# Altium PCB CameraControler0.0.PcbDoc
Units mil, origin at the board's own origin, x right, y up, seen from the top; angles counter-clockwise.
Board outline 5511.81 x 4409.45 mil, 2 copper layers (Top Layer, Bottom Layer); 288 components, 220 nets, 905 pads, 4 vias.
Unrouted connection lines stored in the file: 464.
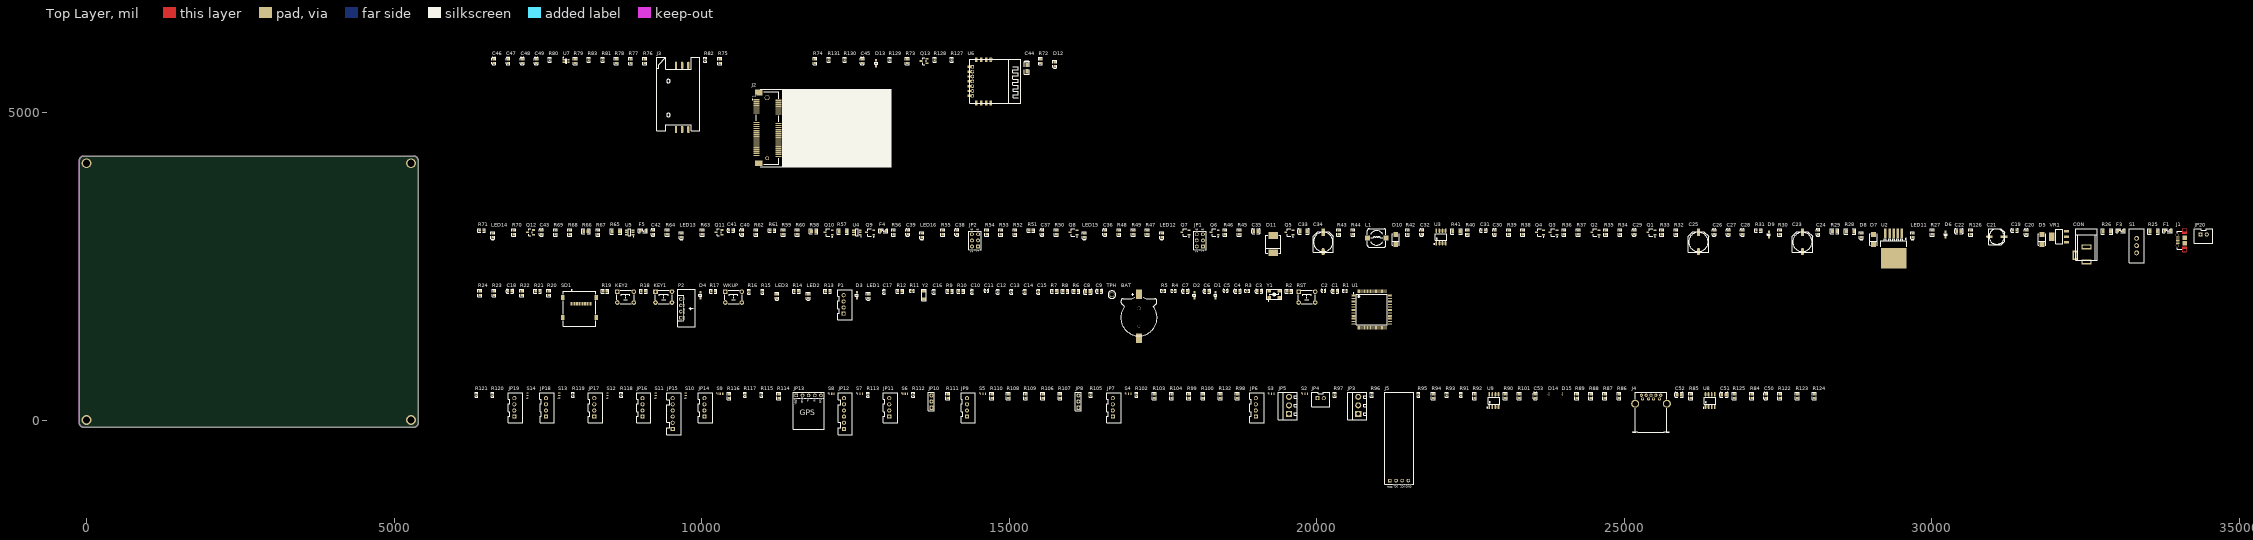
[diagram p0: Top Layer view]
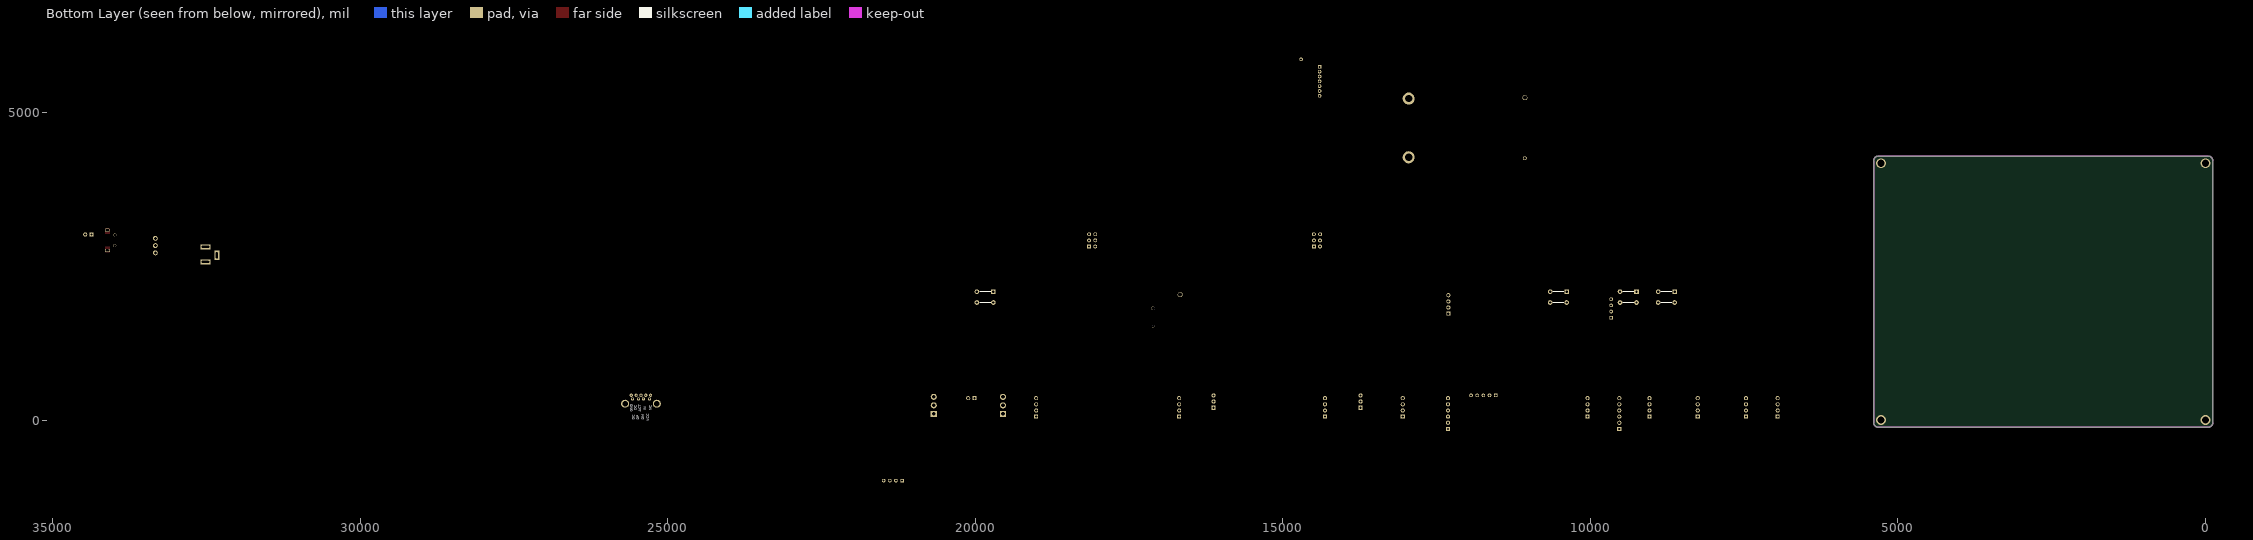
[diagram p1: Bottom Layer view, seen from below]

## Layer stack, top to bottom
Top Solder: solder mask 0.4, Solder Resist, Dk 3.5
Top Layer: signal copper 1.4
Dielectric 1: dielectric 12.6, FR-4, Dk 4.8
Bottom Layer: signal copper 1.4
Bottom Solder: solder mask 0.4, Solder Resist, Dk 3.5

## Board outline
-117.91,-43.11 ccw(c-43.11,-43.11) -43.11,-117.91 -43.31,-118.11 5318.9,-118.11 ccw(c5318.9,-43.31) 5393.7,-43.31 5393.7,4216.54 ccw(c5318.9,4216.54) 5318.9,4291.34 -43.31,4291.33 -43.31,4291.34 ccw(c-43.31,4216.54) -118.11,4216.54

## Design rules (kind name [scope] priority, off if disabled: settings)
Clearance [All] p1: gap=6 ignorepadtopadclearanceinfootprint=FALSE except(0: Arc-Hole Track-Hole SMDPad-Hole THPad-Hole Via-Hole Fill-Hole Poly-Hole Region-Hole Text-Hole; 1: THPad-Fill THPad-Poly THPad-Region Via-Fill Via-Poly Via-Region)
HoleSize [All] p1: absolutevalues=TRUE maxlimit=120 minlimit=1 maxpercent=80.000 minpercent=20.000
MinimumSolderMaskSliver [All] p1: minsoldermaskwidth=1
PolygonConnect [All] p1: connectstyle=Relief reliefconductorwidth=10 reliefentries=4 polygonreliefangle="90 Angle" airgapwidth=10
RoomDefinition WiFi&4G_F [InComponentClass('WiFi&4G_F')] p1: confinementstyle=ConfineIn formatcopy=TRUE lockcomponents=FALSE outline 6578.19,3610.59 15883.19,3610.59 15883.19,6010.59 6578.19,6010.59
RoomDefinition PWR_F [InComponentClass('PWR_F')] p2: confinementstyle=ConfineIn formatcopy=TRUE lockcomponents=FALSE outline 6355,2455.31 34580,2455.31 34580,3225.31 6355,3225.31
RoomDefinition MCU_F [InComponentClass('MCU_F')] p3: confinementstyle=ConfineIn formatcopy=TRUE lockcomponents=FALSE outline 6349.33,1238.39 21234.33,1238.39 21234.33,2238.39 6349.33,2238.39
RoomDefinition Device_F [InComponentClass('Device_F')] p4: confinementstyle=ConfineIn formatcopy=TRUE lockcomponents=FALSE outline 6305,-1095 28290,-1095 28290,565 6305,565
RoutingVias [All] p1: holewidth=10 width=20 viastyle="Through Hole" minholewidth=6 minwidth=10 maxholewidth=30 maxwidth=50
SolderMaskExpansion [All] p1: expansion=4
Width [All] p1: maxlimit=50 minlimit=6 preferedwidth=10 minimp=50.000000 maximp=50.000000 favimp=50.000000
28 further rules are at their usual default settings.

## Classes and differential pairs
component class WiFi&4G_F: C44 C45 C46 C47 C48 C49 D12 D13 J2 J3 Q13 R72 R73 R74 R75 R76 R77 R78 R79 R80 R81 R82 R83 R127 R128 R129 R130 R131 U6 U7
component class PWR_F: C19 C20 C21 C22 C23 C24 C25 C26 C27 C28 C29 C30 C31 C32 C33 C34 C35 C36 C37 C38 C39 C40 C41 C42 C43 CON D5 D6 D7 D8 D9 D10 D11 F1 F3 F4 F5 J1 JP1 JP2 JP20 L1 LED11 LED12 LED13 LED14 LED15 LED16 Q1 Q2 Q3 Q4 Q5 Q6 Q7 Q8 Q9 Q10 Q11 Q12 R25 R26 R27 R28 R29 R30 R31 R32 R33 R34 R35 R36 R37 R38 R39 R40 R41 R42 R43 R44 R45 R46 R47 R48 R49 R50 R51 R52 R53 R54 R55 R56 R57 R58 R59 R60 R61 R62 R63 R64 R65 R66 R67 R68 R69 R70 R71 R126 S1 U2 U3 U4 U5 VR1
component class MCU_F: BAT C1 C2 C3 C4 C5 C6 C7 C8 C9 C10 C11 C12 C13 C14 C15 C16 C17 C18 D1 D2 D3 D4 KEY1 KEY2 LED1 LED2 LED3 P1 P2 R1 R2 R3 R4 R5 R6 R7 R8 R9 R10 R11 R12 R13 R14 R15 R16 R17 R18 R19 R20 R21 R22 R23 R24 RST SD1 TPH U1 WKUP Y1 Y2
component class Device_F: C50 C51 C52 C53 D14 D15 J4 J5 JP3 JP4 JP5 JP6 JP7 JP8 JP9 JP10 JP11 JP12 JP13 JP14 JP15 JP16 JP17 JP18 JP19 R84 R85 R86 R87 R88 R89 R90 R91 R92 R93 R94 R95 R96 R97 R98 R99 R100 R101 R102 R103 R104 R105 R106 R107 R108 R109 R110 R111 R112 R113 R114 R115 R116 R117 R118 R119 R120 R121 R122 R123 R124 R125 R132 S2 S3 S4 S5 S6 S7 S8 S9 S10 S11 S12 S13 S14 U8 U9

## Components (designator, comment, footprint, x,y, rotation, side; value= is the part's Value field where it differs from the comment)
BAT "BAT CR1220" CR1220_A 17109.33,1663.39 r90 top
C1 "100nF" 0603_C 20299.33,2093.39 r0 top
C2 "22pF" 0402_C 20109.33,2103.39 r0 top
C3 "2.2uF" 0603_C 19064.33,2093.39 r0 top
C4 "2.2uF" 0603_C 18714.33,2093.39 r0 top
C5 "22pF" 0402_C 18519.33,2103.39 r0 top
C6 "100nF" 0603_C 18214.33,2093.39 r0 top
C7 "100nF" 0603_C 17864.33,2093.39 r0 top
C8 "10uF" 0805_C 16279.33,2083.39 r0 top
C9 "100nF" 0603_C 16464.33,2093.39 r0 top
C10 "100nF" 0402_C 14394.33,2083.39 r90 top
C11 "100nF" 0402_C 14629.33,2103.39 r0 top
C12 "100nF" 0402_C 14814.33,2083.39 r90 top
C13 "100nF" 0402_C 15034.33,2083.39 r90 top
C14 "100nF" 0402_C 15254.33,2083.39 r90 top
C15 "100nF" 0402_C 15474.33,2083.39 r90 top
C16 "22pF" 0402_C 13774.33,2083.39 r90 top
C17 "22pF" 0402_C 12964.33,2083.39 r90 top
C18 "100nF" 0603_C 6884.33,2093.39 r0 top
C19 "100nF" 0603_C 31345,3080.31 r0 top
C20 "100nF" 0603_C 31535,3050.31 r90 top
C21 "220uF" "CT 6*6 - C" 31055,2980.31 r0 top
C22 "10uF" 0805_C 30440,3070.31 r0 top
C23 "470uF" "CT 8*7 - C" 27895,2895.31 r90 top
C24 "100nF" 0603_C 28150,3050.31 r90 top
C25 "470uF" "CT 8*7 - C" 26205,2895.31 r90 top
C26 "100nF" 0603_C 26460,3050.31 r90 top
C27 "10pF" 0603_C 26690,3050.31 r90 top
C28 "33pF" 0603_C 26920,3050.31 r90 top
C29 "1uF" 0603_C 25160,3050.31 r90 top
C30 "1uF" 0603_C 22890,3050.31 r90 top
C31 "100nF" 0603_C 22710,3080.31 r0 top
C32 "1uF" 0603_C 21705,3050.31 r90 top
C33 "10uF" 1206_C 19785,3065.31 r0 top
C34 "470uF" "CT 8*7 - C" 20105,2895.31 r90 top
C35 "22uF" 0805_C 19010,3070.31 r0 top
C36 "1uF" 0603_C 16555,3050.31 r90 top
C37 "220pF" 0603_C 15535,3050.31 r90 top
C38 "1uF" 0603_C 14150,3050.31 r90 top
C39 "1nF" 0603_C 13350,3050.31 r90 top
C40 "100nF" 0603_C 10655,3050.31 r90 top
C41 "1uF" 0603_C 10475,3080.31 r0 top
C42 "1nF" 0603_C 9210,3050.31 r90 top
C43 "100nF" 0603_C 7395,3050.31 r90 top
C44 "4.7uF" CASE-A_3216 15288.19,5720.59 r90 top
C45 "100nF" 0603_C 12613.19,5835.59 r90 top
C46 "33pF" 0603_C 6623.19,5835.59 r90 top
C47 "33pF" 0603_C 6853.19,5835.59 r90 top
C48 "33pF" 0603_C 7083.19,5835.59 r90 top
C49 "33pF" 0603_C 7313.19,5835.59 r90 top
C50 "100nF" 0603_C 27300,390 r90 top
C51 "10uF" 0805_C 26620,410 r0 top
C52 "100nF" 0805_C 25890,410 r0 top
C53 "100nF" 0603_C 23555,390 r90 top
CON "DC" DC-005 32515,2815.31 r90 top
D1 "1N4148" SOD-323 18354.33,2028.39 r90 top
D2 "1N4148" SOD-323 18009.33,2028.39 r90 top
D3 "1N4148" SOD-323 12524.33,2028.39 r90 top
D4 "1N4148" SOD-323 9979.33,2028.39 r90 top
D5 "B350A" SMA(DO-214AC)_S1 31790,2935.31 r90 top
D6 "SD24C" SOD-323 30225,3015.31 r90 top
D7 "B350A" SMA(DO-214AC)_S1 29050,2935.31 r90 top
D8 "红灯 0603" 0603_LED_S1 28855,3000.31 r90 top
D9 "SD24C" SOD-323 27350,3015.31 r90 top
D10 "B350A" SMA(DO-214AC)_S1 21285,2935.31 r90 top
D11 "SS34" SMC(DO-214AB)_S1 19295,2860.31 r90 top
D12 "蓝灯 0603" 0603_LED_S1 15743.19,5785.59 r90 top
D13 "LESD3Z5.0T1G" SOD-323 12838.19,5800.59 r90 top
D14 "ESD9L5.0ST5G" ONSC-SOD-923-2-514AB-01_V 23775,425 r90 top
D15 "ESD9L5.0ST5G" ONSC-SOD-923-2-514AB-01_V 23995,425 r90 top
F1 "5V 2A" "FU 0805" 33830,3075.31 r0 top
F3 "5V 3A" "FU 0805" 33070,3075.31 r0 top
F4 "5V 2A" "FU 0805" 12955,3075.31 r0 top
F5 "5V 2A" "FU 0805" 9045,3075.31 r0 top
J1 "MicroUSB" MOLX-47589-0001 34110,2920.31 r90 top
J2 "EC25-AU" PCIEmin-i 11065.24,4255.87 r90 top
J3 "SIM Card" "SIM Card" 9583.19,5765.59 r90 top
J4 "USB 3.0" USB3.0-i 25435,125 r0 top
J5 "OLED" "HDR-4P OLED" 21190,-985 r90 top
JP1 "HDR-2X3" HDR-3X2 18150,2820.31 r90 top
JP2 "HDR-2X3" HDR-3X2 14495,2820.31 r90 top
JP3 "HDR-1X3" KF350-3P 20675,100 r90 top
JP4 "XH-2.56-2P" XH2.54-2P 20015,355 r0 top
JP5 "HDR-1X3" KF350-3P 19550,100 r90 top
JP6 "XH-2.56-4P" XH2.54-4P 19010,55 r90 top
JP7 "IIC" XH2.54-4P 16685,55 r90 top
JP8 "HDR-1X3" HDR-1X3 16125,200 r90 top
JP9 "XH-2.56-4P" XH2.54-4P 14315,55 r90 top
JP10 "HDR-1X3" HDR-1X3 13735,200 r90 top
JP11 "IIC" XH2.54-4P 13050,55 r90 top
JP12 "SPI2" XH2.54-6P 12315,-145 r90 top
JP13 "HDR-5P GPS" "HDR-5P GPS" 11540,400 r0 top
JP14 "IIC" XH2.54-4P 10045,55 r90 top
JP15 "SPI3" XH2.54-6P 9530,-145 r90 top
JP16 "UART2_1" XH2.54-4P 9040,55 r90 top
JP17 "IIC" XH2.54-4P 8255,55 r90 top
JP18 "UART2_2" XH2.54-4P 7470,55 r90 top
JP19 "IIC" XH2.54-4P 6955,55 r90 top
JP20 "DC" XH2.54-2P 34370,3015.31 r0 top
KEY1 "KEY" "TSW DIP-6*6*8" 9384.33,1998.39 r0 top
KEY2 "KEY" "TSW DIP-6*6*8" 8764.33,1998.39 r0 top
L1 "10uH" CDRH74 20975,2960.31 r0 top
LED1 "绿灯 0603" 0603_LED_S1 12709.33,2013.39 r90 top
LED2 "黄灯 0603" 0603_LED_S1 11734.33,2013.39 r90 top
LED3 "蓝灯 0603" 0603_LED_S1 11224.33,2013.39 r90 top
LED11 "黄灯 0603" 0603_LED_S1 29685,3000.31 r90 top
LED12 "黄灯 0603" 0603_LED_S1 17480,3000.31 r90 top
LED13 "黄灯 0603" 0603_LED_S1 9670,3000.31 r90 top
LED14 "黄灯 0603" 0603_LED_S1 6605,3000.31 r90 top
LED15 "黄灯 0603" 0603_LED_S1 16220,3000.31 r90 top
LED16 "黄灯 0603" 0603_LED_S1 13580,3000.31 r90 top
P1 "JLINK" XH2.54-4P 12309.33,1728.39 r90 top
P2 "LOG" "HDR-4P Bluetooth-v" 10134.33,3068.39 r0 top
Q1 "AO3400A" SOT-23-3L 25440,3050.31 r0 top
Q2 "AO3400A" SOT-23-3L 24530,3050.31 r0 top
Q3 "AO3401A" SOT-23-3L 23850,3050.31 r0 top
Q4 "AO3400A" SOT-23-3L 23630,3050.31 r0 top
Q5 "AO3401A" SOT-23-3L 19555,3050.31 r0 top
Q6 "AO3400A" SOT-23-3L 18340,3050.31 r0 top
Q7 "AO3400A" SOT-23-3L 17865,3050.31 r0 top
Q8 "AO3400A" SOT-23-3L 16045,3050.31 r0 top
Q9 "AO3401A" SOT-23-3L 12740,3050.31 r0 top
Q10 "AO3400A" SOT-23-3L 12065,3050.31 r0 top
Q11 "SS8050" SOT-23(SOT-23-3) 10280,3050.31 r0 top
Q12 "SS8050" SOT-23(SOT-23-3) 7215,3050.31 r0 top
Q13 "SS8050 Y1" SOT-23(SOT-23-3) 13618.19,5835.59 r0 top
R1 "0Ω" 0402_R 20459.33,2103.39 r0 top
R2 "10KΩ" 0603_R 19549.33,2093.39 r0 top
R3 "NC" 0402_R 18869.33,2103.39 r0 top value=1MΩ
R4 "0Ω" 0402_R 17674.33,2103.39 r0 top
R5 "NC" 0402_R 17504.33,2103.39 r0 top value=0Ω
R6 "10Ω" 0603_R 16089.33,2093.39 r0 top
R7 "NC" 0603_R 15734.33,2093.39 r0 top
R8 "10KΩ" 0603_R 15909.33,2093.39 r0 top
R9 "NC" 0603_R 14034.33,2093.39 r0 top
R10 "10KΩ" 0603_R 14214.33,2093.39 r0 top
R11 "1MΩ" 0402_R 13419.33,2103.39 r0 top
R12 "4.7KΩ" 0603_R 13224.33,2093.39 r0 top
R13 "4.7KΩ" 0603_R 12049.33,2093.39 r0 top
R14 "4.7KΩ" 0603_R 11539.33,2093.39 r0 top
R15 "0Ω" 0402_R 10989.33,2083.39 r90 top
R16 "0Ω" 0402_R 10769.33,2083.39 r90 top
R17 "4.7KΩ" 0603_R 10189.33,2093.39 r0 top
R18 "4.7KΩ" 0603_R 9054.33,2093.39 r0 top
R19 "4.7KΩ" 0603_R 8429.33,2093.39 r0 top
R20 "47KΩ" 0603_R 7514.33,2063.39 r90 top
R21 "47KΩ" 0603_R 7334.33,2093.39 r0 top
R22 "47KΩ" 0603_R 7074.33,2063.39 r90 top
R23 "47KΩ" 0603_R 6624.33,2063.39 r90 top
R24 "47KΩ" 0603_R 6394.33,2063.39 r90 top
R25 "0Ω" 1206_R 33605,3065.31 r0 top
R26 "0Ω" 1206_R 32845,3065.31 r0 top
R27 "4.7KΩ" 0603_R 30005,3050.31 r90 top
R28 "0Ω" 1206_R 28670,3065.31 r0 top
R29 "51KΩ" 0805_R 28420,3070.31 r0 top
R30 "82KΩ" 0603_R 27530,3050.31 r90 top
R31 "470Ω" 0603_R 27180,3080.31 r0 top
R32 "100KΩ" 0603_R 25840,3050.31 r90 top
R33 "47KΩ" 0603_R 25610,3050.31 r90 top
R34 "NC" 0603_R 24930,3050.31 r90 top
R35 "100KΩ" 0603_R 24700,3050.31 r90 top
R36 "10KΩ" 0603_R 24020,3050.31 r90 top
R37 "NC" 0603_R 24250,3050.31 r90 top
R38 "100KΩ" 0603_R 23350,3050.31 r90 top
R39 "100KΩ" 0603_R 23120,3050.31 r90 top
R40 "124KΩ" 0603_R 22450,3050.31 r90 top
R41 "0Ω" 1206_R 22270,3065.31 r0 top
R42 "100KΩ" 0603_R 21475,3050.31 r90 top
R43 "4.7KΩ" 0603_R 20360,3050.31 r90 top
R44 "NC" 0603_R 20590,3050.31 r90 top
R45 "100KΩ" 0603_R 18740,3050.31 r90 top
R46 "10KΩ" 0603_R 18510,3050.31 r90 top
R47 "40.2KΩ" 0603_R 17245,3050.31 r90 top
R48 "NC" 0603_R 16785,3050.31 r90 top
R49 "100KΩ" 0603_R 17015,3050.31 r90 top
R50 "10KΩ" 0603_R 15765,3050.31 r90 top
R51 "200KΩ" 0603_R 15355,3080.31 r0 top
R52 "100KΩ" 0603_R 15095,3050.31 r90 top
R53 "68.1KΩ" 0603_R 14865,3050.31 r90 top
R54 "4.7KΩ" 0603_R 14635,3050.31 r90 top
R55 "100KΩ" 0603_R 13920,3050.31 r90 top
R56 "NC" 0603_R 13120,3050.31 r90 top
R57 "0Ω" 1206_R 12295,3065.31 r0 top
R58 "51KΩ" 0805_R 11820,3070.31 r0 top
R59 "100KΩ" 0603_R 11325,3050.31 r90 top
R60 "10KΩ" 0603_R 11555,3050.31 r90 top
R61 "4.7KΩ" 0603_R 11145,3080.31 r0 top
R62 "100KΩ" 0603_R 10885,3050.31 r90 top
R63 "4.7KΩ" 0603_R 10010,3050.31 r90 top
R64 "47KΩ" 0603_R 9440,3050.31 r90 top
R65 "0Ω" 1206_R 8605,3065.31 r0 top
R66 "51KΩ" 0805_R 8120,3070.31 r0 top
R67 "4.7KΩ" 0603_R 8315,3050.31 r90 top
R68 "100KΩ" 0603_R 7855,3050.31 r90 top
R69 "4.7KΩ" 0603_R 7625,3050.31 r90 top
R70 "4.7KΩ" 0603_R 6945,3050.31 r90 top
R71 "47KΩ" 0603_R 6425,3080.31 r0 top
R72 "4.7KΩ" 0603_R 15508.19,5835.59 r90 top
R73 "4.7KΩ" 0603_R 13343.19,5835.59 r90 top
R74 "4.7KΩ" 0603_R 11843.19,5835.59 r90 top
R75 "10KΩ" 0603_R 10293.19,5835.59 r90 top
R76 "15KΩ" 0603_R 9073.19,5835.59 r90 top
R77 "22Ω" 0603_R 8843.19,5835.59 r90 top
R78 "22Ω" 0603_R 8613.19,5835.59 r90 top
R79 "22Ω" 0603_R 7943.19,5835.59 r90 top
R80 "22Ω" 0402_R 7533.19,5855.59 r90 top
R81 "NC" 0402_R 8393.19,5855.59 r90 top value=22Ω
R82 "22Ω" 0402_R 10058.19,5855.59 r90 top
R83 "22Ω" 0402_R 8163.19,5855.59 r90 top
R84 "10KΩ" 0603_R 27070,390 r90 top
R85 "10KΩ" 0603_R 26080,390 r90 top
R86 "10KΩ" 0603_R 24915,390 r90 top
R87 "10KΩ" 0603_R 24685,390 r90 top
R88 "NC" 0603_R 24455,390 r90 top
R89 "0Ω" 0603_R 24225,390 r90 top
R90 "360Ω" 0603_R 23065,390 r90 top
R91 "22Ω" 0402_R 22345,410 r90 top
R92 "360Ω" 0603_R 22565,390 r90 top
R93 "22Ω" 0402_R 22115,410 r90 top
R94 "120Ω" 0603_R 21895,390 r90 top
R95 "22Ω" 0402_R 21655,410 r90 top
R96 "22Ω" 0402_R 20895,410 r90 top
R97 "22Ω" 0402_R 20295,410 r90 top
R98 "4.7KΩ" 0603_R 18710,390 r90 top
R99 "4.7KΩ" 0603_R 17920,390 r90 top
R100 "0Ω" 0603_R 18150,390 r90 top
R101 "0Ω" 0603_R 23295,390 r90 top
R102 "22Ω" 0402_R 17070,410 r90 top
R103 "0Ω" 0603_R 17360,390 r90 top
R104 "NC" 0603_R 17640,390 r90 top
R105 "22Ω" 0402_R 16325,410 r90 top
R106 "0Ω" 0603_R 15545,390 r90 top
R107 "NC" 0603_R 15825,390 r90 top
R108 "0Ω" 0603_R 14985,390 r90 top
R109 "NC" 0603_R 15265,390 r90 top
R110 "4.7KΩ" 0603_R 14715,390 r90 top
R111 "4.7KΩ" 0603_R 14000,390 r90 top
R112 "22Ω" 0402_R 13440,410 r90 top
R113 "22Ω" 0402_R 12705,410 r90 top
R114 "4.7KΩ" 0603_R 11255,390 r90 top
R115 "22Ω" 0402_R 10975,410 r90 top
R116 "4.7KΩ" 0603_R 10445,390 r90 top
R117 "22Ω" 0402_R 10705,410 r90 top
R118 "22Ω" 0402_R 8695,410 r90 top
R119 "22Ω" 0402_R 7910,410 r90 top
R120 "22Ω" 0402_R 6600,410 r90 top
R121 "22Ω" 0402_R 6340,410 r90 top
R122 "10KΩ" 0603_R 27530,390 r90 top
R123 "4.7KΩ" 0603_R 27810,390 r90 top
R124 "4.7KΩ" 0603_R 28090,390 r90 top
R125 "10KΩ" 0603_R 26790,390 r90 top
R126 "4.7KΩ" 0603_R 30635,3050.31 r90 top
R127 "0Ω" 0402_R 14068.19,5855.59 r90 top
R128 "0Ω" 0402_R 13788.19,5855.59 r90 top
R129 "0Ω" 0402_R 13058.19,5855.59 r90 top
R130 "0Ω" 0402_R 12328.19,5855.59 r90 top
R131 "0Ω" 0402_R 12068.19,5855.59 r90 top
R132 "NC" 0603_R 18430,390 r90 top
RST "KEY" "TSW DIP-6*6*8" 19839.33,1998.39 r0 top
S1 "SW" SS-12D10 33330,2835.31 r90 top
S2 "SW" SWITCH_SPOT 19770,430 r0 top
S3 "SW" SWITCH_SPOT 19225,430 r0 top
S4 "SW" SWITCH_SPOT 16900,430 r0 top
S5 "SW" SWITCH_SPOT 14535,430 r0 top
S6 "SW" SWITCH_SPOT 13270,430 r0 top
S7 "SW" SWITCH_SPOT 12535,430 r0 top
S8 "SW" SWITCH_SPOT 12075,430 r0 top
S9 "SW" SWITCH_SPOT 10265,430 r0 top
S10 "SW" SWITCH_SPOT 9745,360 r90 top
S11 "SW" SWITCH_SPOT 9255,360 r90 top
S12 "SW" SWITCH_SPOT 8470,360 r90 top
S13 "SW" SWITCH_SPOT 7685,360 r90 top
S14 "SW" SWITCH_SPOT 7170,360 r90 top
SD1 "MicroSD Card" MOLX-47219-2001-8_V 8014.33,1828.39 r0 top
TPH "TPH" KSTN-5011_V 16669.33,2038.39 r0 top
U1 "STM32F407VGT6" STM-LQFP100_L 20894.33,1798.39 r0 top
U2 "MIC29302WU" TO-263-5 29380,3035.31 r90 top
U3 "MP1584DN" SOP-8_150mil 22020,2975.31 r0 top
U4 "FDC6330L" SOT-23-6 12525,3050.31 r0 top
U5 "FDC6330L" SOT-23-6 8830,3050.31 r0 top
U6 "WIFI" MT8266WIFI-H 14363.19,5155.59 r0 top
U7 "SMF05CT1G" SC-70-6(SOT-363) 7798.19,5835.59 r0 top
U8 "AT24C256" SOP-8_150mil 26395,315 r0 top
U9 "SP3485" SOP-8_150mil 22880,315 r0 top
VR1 "AMS1117-3.3" SOT-223 32070,2980.31 r0 top
WKUP "KEY" "TSW DIP-6*6*8" 10519.33,1998.39 r0 top
Y1 "8MHz" XTAL-5032-4P 19309.33,2043.39 r0 top
Y2 "32.768KHz" XTAL-3215/F135 13614.33,2033.39 r90 top

## Footprints (in the part's own frame and the unit in brackets; to place one, negate y for a bottom-side part, rotate by r counter-clockwise, add the part's x,y. Pads: shape width x height; smd on the part's side, far side on the other; paste and mask are expansions set on the pad)
0402_C [mm]
  rect 0.6x0.65 smd mask+0.051: 1(-0.425,0) 2(0.425,0)
  silkscreen extent -0.97,-0.58 0.97,0.58, body extent -0.48,-0.3 0.52,0.3, height 0.2
0402_R [mm]
  rect 0.6x0.65 smd mask+0.051: 1(-0.425,0) 2(0.425,0)
  silkscreen extent -0.97,-0.58 0.97,0.58, body extent -0.57,-0.27 0.58,0.28, height 0.41
0603_C [mm]
  rect 0.93x0.98 smd: 1(-0.77,0) 2(0.77,0)
  silkscreen extent -1.53,-0.79 1.54,0.79, body extent -0.8,-0.4 0.8,0.4, height 0.3
0603_LED_S1 [mm]
  rect 0.93x0.98 smd: A(0.77,0) K(-0.77,0)
  silkscreen extent -1.98,-0.79 1.54,0.79, body extent -0.8,-0.4 0.8,0.4, height 0.6
0603_R [mm]
  rect 0.93x0.98 smd: 1(-0.77,0) 2(0.77,0)
  silkscreen extent -1.53,-0.79 1.54,0.79, body extent -0.85,-0.4 0.85,0.4, height 0.56
0805_C [mm]
  rect 1.16x1.47 smd: 1(-0.89,0) 2(0.89,0)
  silkscreen extent -1.77,-1.04 1.77,1.04, body extent -1,-0.62 1,0.63, height 0.77
0805_R [mm]
  rect 1.16x1.47 smd: 1(-0.89,0) 2(0.89,0)
  silkscreen extent -1.77,-1.04 1.77,1.03, body extent -1,-0.62 1,0.63, height 0.49
1206_C [mm]
  rect 1.13x1.8 smd: 1(-1.49,0) 2(1.49,0)
  silkscreen extent -2.36,-1.2 2.35,1.2, body extent -1.6,-0.81 1.6,0.79, height 1
1206_R [mm]
  rect 1.13x1.8 smd: 1(-1.49,0) 2(1.49,0)
  silkscreen extent -2.36,-1.2 2.35,1.2, body extent -1.7,-0.86 1.65,0.87, height 0.85
CASE-A_3216 [mm]
  rect 1.8x1.35 smd: 1(1.31,0) 2(-1.31,0)
  silkscreen extent -2.54,-1 2.97,1, body extent -1.7,-0.84 1.7,0.84, height 1.71
CDRH74 [mm] "7.3*7.3*4.5mm（长宽高）"
  rect 2x2 smd: 1(-3.81,0) 2(3.81,0)
  silkscreen extent -3.81,-3.81 3.81,3.81, body extent -3.65,-3.65 3.65,3.65, height 4.5
CR1220_A [mm] "纽扣电池座"
  round 1.1 hole 1.1: 0(-3.6,0)
  round 1.45 hole 1.45: 0(3.9,0)
  rect 4x2.5 smd: 1(9.652,0) 2(-8.458,0)
  silkscreen extent -7.5,-7.5 10.16,7.5, body extent -9.42,-7.45 10.34,7.45, height 4.05
"CT 6*6 - C" [mm] "直径6mm，高6mm"
  rect 2.7x1 smd: 1(3,0)
  oval 2.7x1 smd: 2(-3,0)
  silkscreen extent -3.3,-3.3 3.3,3.3, body extent -3.5,-3.15 3.5,3.15, height 6
"CT 8*7 - C" [mm] "直径8mm，高7mm"
  rect 3x1.3 smd: 1(4,0)
  oval 3x1.3 smd: 2(-4,0)
  silkscreen extent -4.2,-4.2 4.2,4.2, body extent -4.5,-4.15 4.5,4.15, height 7
DC-005 [mm] "5.5*2.1mm，DC30V,2.5A"
  rect 2x4 hole 0.8 slot 3 at 90 deg: 1(-6.2,0) 2(0,0)
  rect 4x2 hole 0.8 slot 2.5 at 0 deg: 3(-3.5,4.7)
  silkscreen extent -5.48,-4.5 7.5,4.5, body extent -6.55,-4.5 7.5,4.8, height 11.2
"FU 0805" [mil] "贴片保险丝"
  rect 40x55 smd: 1(-45,0) 2(45,0)
  silkscreen extent -75,-35 75,35, body extent -39,-24 39,24, height 20
HDR-1X3 [mm] "排针，3脚"
  rect 1.7x1.7 hole 0.9: 1(0,0)
  round 1.7 hole 0.9: 2(2.54,0) 3(5.08,0)
  silkscreen extent -1.27,-1.27 6.35,1.27, body extent -1.27,-1.27 6.35,1.27, height 8.5
HDR-3X2 [mm] "双排排针，3x2脚"
  rect 1.6x1.6 hole 0.9: 1(0,0)
  round 1.6 hole 0.9: 2(0,2.54) 3(2.54,0) 4(2.54,2.54) 5(5.08,0) 6(5.08,2.54)
  silkscreen extent -1.27,-1.27 6.35,3.81, body extent -1.27,-1.27 6.35,3.81, height 8.5
"HDR-4P Bluetooth-v" [mm] "Connector; Header; 4 Position"
  rect 1.5x1.5 hole 0.9: 1(-11.989,-35.687)
  round 1.5 hole 0.9: 2(-11.989,-33.147) 3(-11.989,-30.607) 4(-11.989,-28.067)
  silkscreen extent -13.26,-39.5 -5.97,-23.98, body extent -13.26,-36.96 -10.72,-26.8, height 8.5
"HDR-4P OLED" [mm] "Connector; Header; 4Position"
  rect 1.5x1.5 hole 0.9: 1(0,0)
  round 1.5 hole 0.9: 2(0,-2.54) 3(0,-5.08) 4(0,-7.62)
  silkscreen extent -1.5,-9.81 36.5,2.19, body extent -1.27,-8.89 1.27,1.27, height 8.5
"HDR-5P GPS" [mm] "Connector; Header; 5 Position"
  rect 1.5x1.5 hole 0.9: 1(0,0)
  round 1.5 hole 0.9: 2(2.54,0) 3(5.08,0) 4(7.62,0) 5(10.16,0)
  silkscreen extent -1.27,-14.05 11.46,1.27, body extent -1.27,-1.27 11.43,1.27, height 8.5
KF350-3P [mm] "可拼接端子/10A"
  rect 2.5x2.5 hole 1.5: 1(0,0)
  round 2.5 hole 1.5: 2(3.5,0) 3(7,0)
  silkscreen extent -2.34,-3.48 8.94,4.37, body extent -2.15,-3.3 8.75,4.2, height 10
KSTN-5011_V [mm] "Test Point, Dia 3.17mm"
  round 2.1 hole 1.6: 1(0,0)
  silkscreen extent -1.59,-1.58 1.59,1.58, body extent -1.59,-1.59 1.59,1.59, height 8.13
MOLX-47219-2001-8_V [mm] "CONN, 8-Leads, Body 14.5x13.6mm, Pitch 1.1mm"
  rect 0.8x1.5 smd: 1(-3.205,1.55) 2(-2.105,1.55) 3(-1.005,1.55) 4(0.095,1.55) 5(1.195,1.55) 6(2.295,1.55) 7(3.395,1.55) 8(4.495,1.55)
  rect 1.45x2 smd: 9(6.875,4.15) 10(6.875,-4.15) 11(-6.875,-4.15) 12(-6.875,4.15)
  silkscreen extent -6.8,-7.8 6.8,7.42, body extent -7.3,-7.79 7.3,6.71, height 1.91
MOLX-47589-0001 [mm] "Micro USB 2.0 Type AB ，USB SMD, 5-Leads, Body 7.5x5.6mm, Pitch 0.65mm"
  rect 0.4x1.35 smd: 1(-1.3,2.805) 2(-0.65,2.805) 3(0,2.805) 4(0.65,2.805) 5(1.3,2.805)
  round 0 / inner oval 1.4x2.1 / far side oval 1.4x2.1 hole 0.825 slot 1.5 at 90 deg: Shell(-4.175,0)